# Altium PCB QAM16_PCB.PcbDoc (part 3 of 3)
Units mm, origin at the board's own origin, x right, y up, seen from the top; angles counter-clockwise.
Board outline 146.25 x 74.25 mm, 4 copper layers (Top Layer, MidLayer1, MidLayer2, Bottom Layer), stack 1.554 mm thick; 210 components, 131 nets, 714 pads, 562 vias.
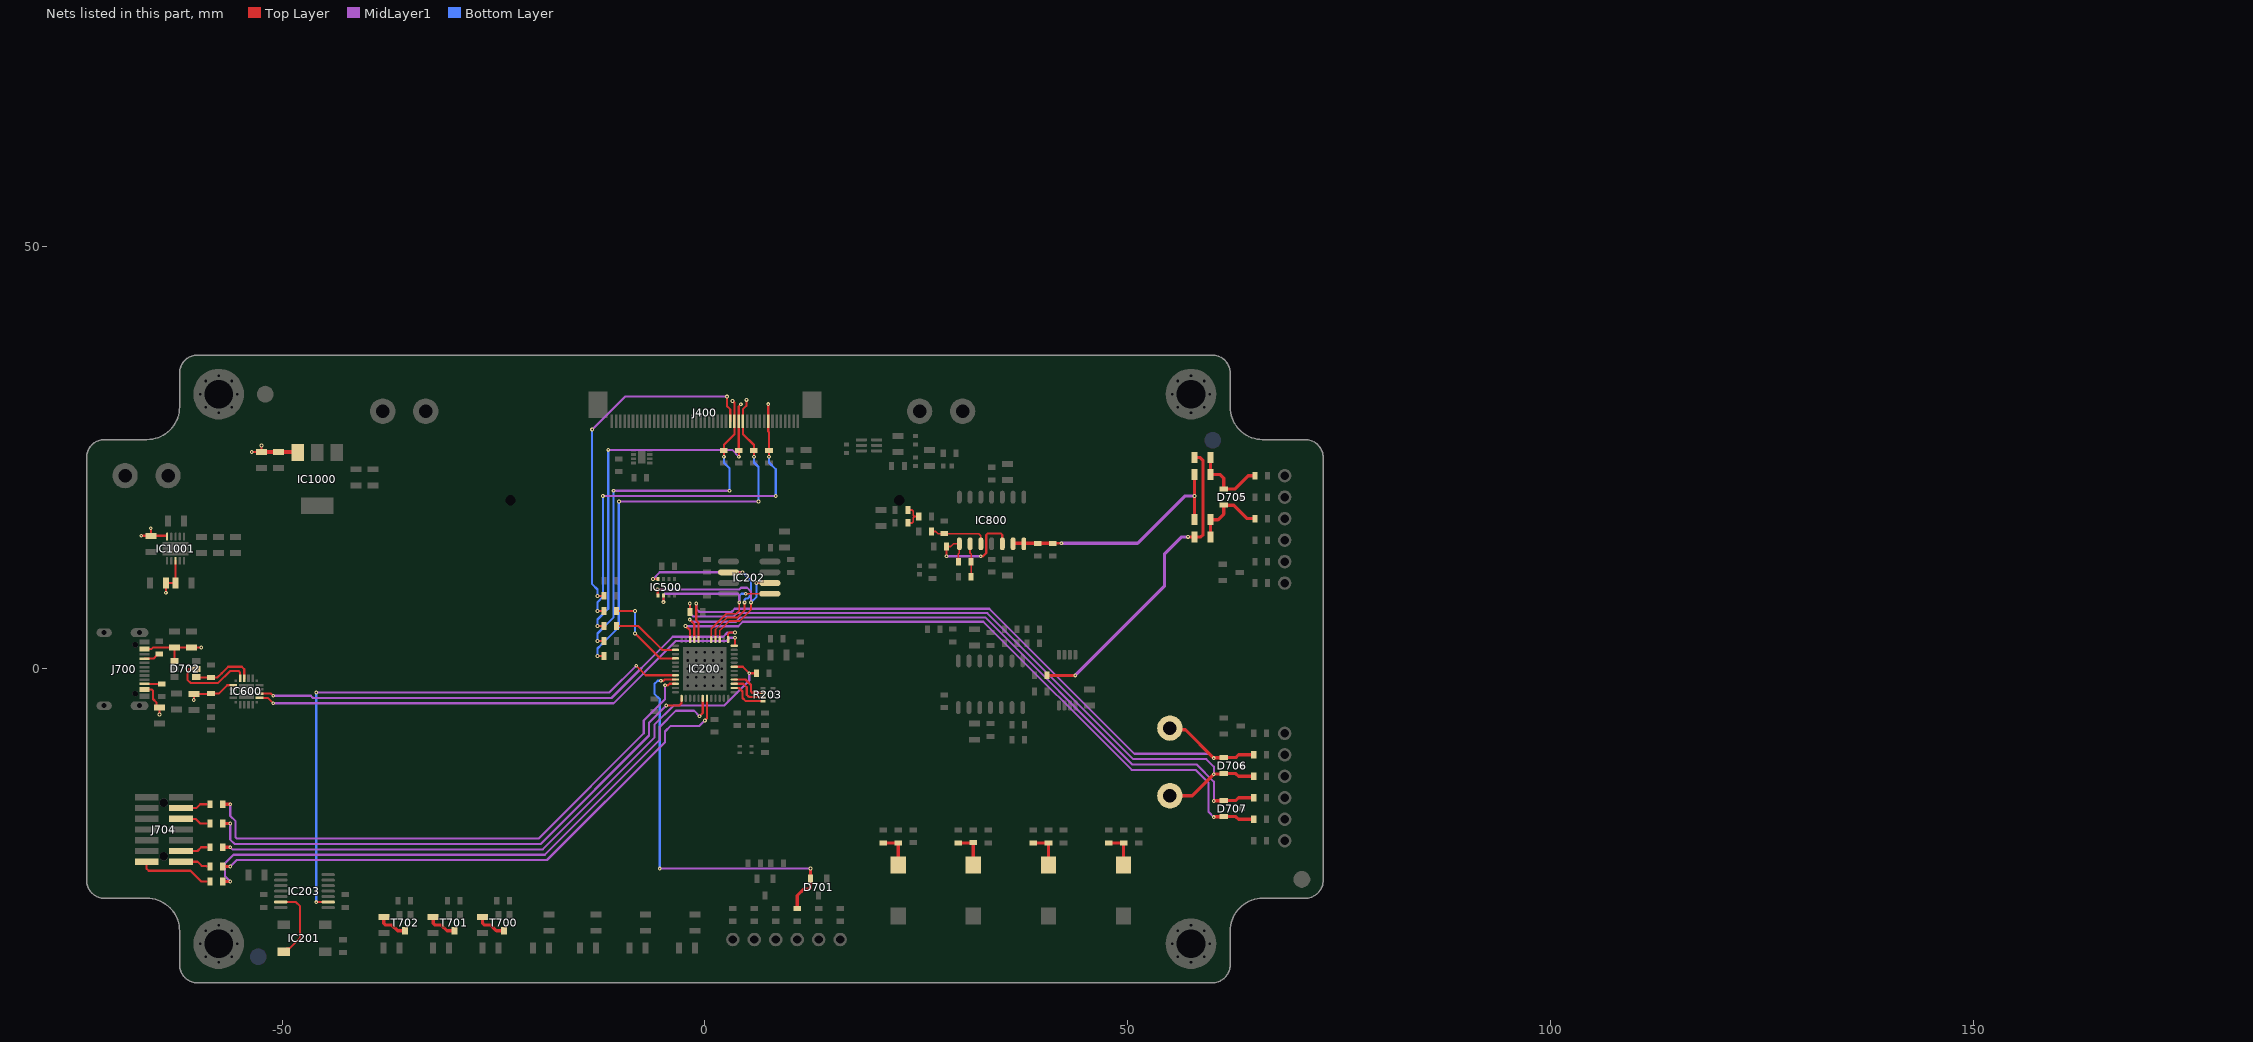
[diagram p5: the nets of this part, all layers, seen from the top]

## Via types
v1: diameter 0.45, hole 0.2, Top Layer to Bottom Layer, tented both sides, 558 vias
v2: diameter 0.762, hole 0.381, Top Layer to Bottom Layer, tented both sides, 3 vias
v3: diameter 0.813, hole 0.356, Top Layer to Bottom Layer, tented both sides, 1 vias

## Nets (pads, with @x,y where several pads share a name; then routed paths per layer and width w, separated by ;. In a path a pad name is that pad's centre, name@x,y a point inside that pad or via, vN(x,y) a via of type N, cw(c..) or ccw(c..) an arc to the next point about the centre after c; other vN are vias at no path point) (continued)
NetJ400_8: J400.8 R402.1 R404.1 | length 46.3
  Top Layer w0.254: v1(-12.7,6.858) R404.1@-11.938,6.858 ; v1(7.492,31.324) 7.499,31.317 7.499,28.082 7.579,28.002 R402.1@7.579,25.856 v1(7.579,25.106)
  MidLayer1 w0.254: v1(-12.7,6.858) v1@-12.684,6.842 ; v1(-12.065,20.447) v1(8.382,20.447)
  Bottom Layer w0.254: v1(-12.7,6.858) -12.7,7.886 -12.065,8.521 v1(-12.065,20.447) ; v1(7.579,25.106) 7.579,24.425 8.382,23.622 v1(8.382,20.447)
NetJ400_14: J400.14 R400.1 R407.1 | length 49.6
  Top Layer w0.254: v1(-12.7,1.524) R400.1@-11.938,1.524 ; v1(4.912,31.825) 4.912,31.115 4.499,30.702 J400.14@4.499,29.285 4.499,27.793 5.801,26.491 v1(5.801,25.106)
  MidLayer1 w0.254: v1(-10.16,19.812) v1(6.35,19.812) ; v1@4.902,31.835 v1(4.912,31.825)
  Bottom Layer w0.254: v1(-12.7,1.524) -12.7,2.413 -12.192,2.921 -10.182,4.931 -10.182,19.79 v1(-10.16,19.812) ; v1(5.801,25.106) 5.801,24.425 6.35,23.876 v1(6.35,19.812)
NetJ400_15: J400.15 R403.1 R408.1 | length 45.8
  Top Layer w0.254: v1(-12.7,5.08) R403.1@-11.938,5.08 ; 3.999,27.745 3.999,31.048 v1(4.256,31.305) ; J400.15@3.999,29.285 3.999,25.88 R408.1@4.023,25.856 v1(4.023,25.106)
  MidLayer1 w0.254: v1(-11.43,25.908) 3.221,25.908 v1(4.023,25.106)
  Bottom Layer w0.254: v1(-12.7,5.08) -12.7,5.842 -11.43,7.112 v1(-11.43,25.908)
NetJ400_16: J400.16 R401.1 R409.1 | length 44.6
  Top Layer w0.254: v1(-12.7,3.302) R401.1@-11.938,3.302 ; v1(2.245,25.106) R409.1@2.245,25.856 2.245,26.491 3.499,27.745 3.499,31.46 v1(3.261,31.698)
  MidLayer1 w0.254: v1(-10.795,21.082) v1(2.921,21.082)
  Bottom Layer w0.254: v1(-12.7,3.302) -12.7,4.191 -10.795,6.096 v1(-10.795,21.082) ; v1(2.245,25.106) 2.245,24.425 2.921,23.749 v1(2.921,21.082)
NetJ400_17: J400.17 R405.1 | length 41.4
  Top Layer w0.254: v1(-12.7,8.636) R405.1@-11.938,8.636 ; v1(2.626,32.206) 2.622,32.202 2.622,31.079 2.999,30.702 J400.17@2.999,29.285
  MidLayer1 w0.254: v1(-13.335,28.321) -9.45,32.206 v1(2.626,32.206)
  Bottom Layer w0.254: v1(-13.335,28.321) -13.335,10.033 -12.7,9.398 v1(-12.7,8.636)
NetJ700_A5: J700.A5 R701.1 | length 2
  Top Layer w0.254: J700.A5@-66.294,1.222 -65.221,1.222 R701.1@-64.839,1.604 ; R701.1@-64.839,1.605 -64.666,1.778 R701.1@-64.516,1.778
NetJ700_B5: J700.B5 R702.1 | length 2
  Top Layer w0.254: J700.B5@-66.294,-1.778 R702.1@-64.262,-1.778
NetJ704_4: J704.4 R710.2 | length 3.2
  Top Layer w0.254: J704.4@-61.965,-16.46 -60.148,-16.46 -59.69,-16.002 -58.928,-16.002
NetJ704_6: J704.6 R711.2 | length 3.3
  Top Layer w0.254: J704.6@-61.965,-17.73 -60.248,-17.73 -59.69,-18.288 -58.928,-18.288
NetJ704_12: J704.12 R709.2 | length 3.2
  Top Layer w0.254: J704.12@-61.965,-21.54 -60.021,-21.54 -59.563,-21.082 -58.928,-21.082
NetJ704_13: J704.13 R713.2 | length 8.6
  Top Layer w0.254: J704.13@-66.035,-22.81 -66.035,-23.627 -65.786,-23.876 -60.833,-23.876 -59.563,-25.146 -58.928,-25.146
NetJ704_14: J704.14 R715.2 | length 3.3
  Top Layer w0.254: J704.14@-61.965,-22.81 -59.994,-22.81 -59.51,-23.294 -59.002,-23.294 -58.928,-23.368
NetKEY300_2: KEY300.2 R300.2 R304.1 | length 4.4
  Top Layer w0.381: R300.2@21.082,-20.574 R304.1@22.86,-20.574 KEY300.2@22.86,-23.21
NetKEY301_2: KEY301.2 R301.2 R305.1 | length 4.4
  Top Layer w0.381: R301.2@29.972,-20.598 31.75,-20.598 KEY301.2@31.75,-23.234
NetKEY302_2: KEY302.2 R302.2 R306.1 | length 4.4
  Top Layer w0.381: R302.2@38.862,-20.598 40.64,-20.598 KEY302.2@40.64,-23.234
NetKEY303_2: KEY303.2 R303.2 R307.1 | length 4.4
  Top Layer w0.381: R303.2@47.752,-20.598 49.53,-20.598 KEY303.2@49.53,-23.234
NetR712_2: R712.2 T700.3 | length 3.6
  Top Layer w0.381: R712.2@-26.289,-29.342 -26.289,-30.069 -26.066,-30.292 -25.334,-30.292 -24.658,-30.968 T700.3@-23.776,-30.968
NetR714_2: R714.2 T701.3 | length 3.6
  Top Layer w0.381: R714.2@-32.131,-29.342 -32.131,-30.069 -31.908,-30.292 -31.176,-30.292 -30.5,-30.968 T701.3@-29.618,-30.968
NetR716_2: R716.2 T702.3 | length 3.6
  Top Layer w0.381: R716.2@-37.973,-29.342 -37.973,-30.069 -37.75,-30.292 -37.018,-30.292 -36.342,-30.968 T702.3@-35.46,-30.968
NetR800_2: R800.2 R801.1 R804.1 | length 3.3
  Top Layer w0.203: R804.1@24.003,17.272 24.519,17.272 24.638,17.391 24.638,17.895 24.777,18.034 ; R800.2@24.003,18.796 24.511,18.796 24.638,18.669 24.638,18.173 24.777,18.034 ; R801.1@25.297,18.034 24.777,18.034
NP_CH1: IC200.32 IC203.2 | length 70.5
  Top Layer w0.254: v1(-45.962,-27.579) IC203.2@-44.57,-27.579 ; v1(-8.128,0.381) -6.997,-0.75 IC200.32@-3.475,-0.75
  MidLayer1 w0.254: v1(-45.974,-2.794) -11.303,-2.794 v1(-8.128,0.381)
  Bottom Layer w0.254: v1@-45.974,-27.567 -45.968,-27.561 -45.968,-2.8 v1(-45.974,-2.794)
NP_CH1_B: IC201.4 IC203.13 | length 8.9
  Top Layer w0.254: IC203.13@-50.165,-27.574 -48.372,-27.574 -47.879,-28.067 -47.879,-31.809 -49.174,-33.104 -49.448,-33.104 IC201.4@-49.821,-33.477
NRST: C210.1 IC200.7 R709.1 | length 75.2
  Top Layer w0.254: IC200.7@3.475,0.25 4.484,0.25 v1(5.242,-0.508) ; v1@5.334,-0.508 C210.1@6.096,-0.508
  Top Layer w0.381: R709.1@-57.026,-21.085 v1(-56.142,-21.085)
  MidLayer1 w0.254: v1(-56.142,-21.085) -55.89,-21.336 -19.177,-21.336 -5.969,-8.128 -5.969,-6.604 -3.683,-4.318 2.286,-4.318 5.242,-1.362 v1(5.242,-0.508)
  MidLayer1 w0.381: v1(-56.142,-21.085) v1@-56.131,-21.085
OP1_+: C802.2 IC800.3 R802.2 | length 7
  Top Layer w0.203: R802.2@26.797,16.256 27.317,16.256 27.571,16.002 C802.2@28.321,16.002 32.385,16.002 32.639,15.748 IC800.3@32.639,14.8
OP1_-: IC800.2 R803.2 R805.2 | length 3.9
  Top Layer w0.203: IC800.2@31.369,14.8 31.369,13.716 31.496,13.589 R803.2@31.496,12.7 R805.2@31.496,10.922
OP1_OUT: C800.2 IC800.1 IC800.5 R803.1 | length 15
  Top Layer w0.203: C800.2@28.575,14.478 29.083,14.478 29.405,14.8 IC800.1@30.099,14.8 30.099,13.716 29.972,13.589 29.972,12.724 R803.1@29.996,12.7
  Top Layer w0.254: v1(28.575,13.335) C800.2@28.575,14.478 ; v1(32.639,13.335) 32.893,13.335 33.274,13.716 33.274,15.853 33.423,16.002 35.03,16.002 35.179,15.853 IC800.5@35.179,14.8
  MidLayer1 w0.254: v1(28.575,13.335) v1(32.639,13.335)
PC13: IC200.2 R203.1 | length 4.5
  Top Layer w0.254: IC200.2@3.475,-2.25 3.48,-2.255 4.033,-2.255 4.445,-2.667 4.445,-3.429 4.826,-3.81 R203.1@6.858,-3.81
PC14: IC200.3 R203.3 | length 4.5
  Top Layer w0.254: IC200.3@3.475,-1.75 3.48,-1.755 4.549,-1.755 4.953,-2.159 4.953,-3.048 5.166,-3.261 ; 5.215,-3.31 R203.3@6.858,-3.31
PC15: IC200.4 R203.5 | length 4.5
  Top Layer w0.254: IC200.4@3.475,-1.25 4.806,-1.25 5.461,-1.905 5.461,-2.407 5.461,-2.661 5.61,-2.81 R203.5@6.858,-2.81
SG_IN: D705.1 FE717.1 R707.1 R708.1 | length 9.4
  Top Layer w0.381: R707.1@59.817,25.019 R708.1@59.817,22.987 60.96,22.987 61.373,22.574 D705.1@61.373,21.27 62.672,21.27 64.262,22.86 FE717.1@65.048,22.86
SG_OUT: D705.2 FE715.1 R705.1 R706.1 | length 9.2
  Top Layer w0.381: R706.1@59.817,15.621 R705.1@59.817,17.653 60.706,17.653 61.373,18.32 D705.2@61.373,19.37 62.545,19.37 64.135,17.78 FE715.1@65.048,17.78
SIG_IN: R706.2 R707.2 R904.1 | length 37.5
  Top Layer w0.381: R904.1@40.489,-0.762 v1(43.815,-0.762) ; v1(57.152,15.621) R706.2@57.917,15.621 58.674,15.621 58.928,15.875 58.928,24.638 58.547,25.019 R707.2@57.917,25.019
  MidLayer1 w0.381: v1(43.815,-0.762) 54.356,9.779 54.356,13.589 56.388,15.621 v1(57.152,15.621)
SIG_OUT: IC800.6 IC800.7 R705.2 R708.2 R806.2 R807.2 | length 29.2
  Top Layer w0.254: R807.2@41.148,14.859 v1(42.164,14.859)
  Top Layer w0.381: IC800.6@36.449,14.8 36.508,14.859 37.66,14.859 IC800.7@37.719,14.8 37.778,14.859 R806.2@39.37,14.859 R807.2@41.148,14.859 ; R705.2@57.917,17.653 57.917,20.437 57.912,20.442 v1(57.912,20.447) 57.912,22.982 R708.2@57.917,22.987
  MidLayer1 w0.381: v1(42.164,14.859) 51.181,14.859 56.769,20.447 v1(57.912,20.447)
SPI1_MISO: IC200.16 IC202.2 IC500.5 | length 24.1
  Top Layer w0.203: IC200.16@1.25,3.475 1.25,4.673 2.673,6.096 3.871,6.096 4.699,6.924 v1(4.699,7.874) ; IC202.2@2.794,11.43 v1(4.445,11.43)
  Top Layer w0.254: v1(-6.137,10.627) -5.613,10.627 IC500.5@-5.605,10.635
  MidLayer1 w0.254: v1(-6.137,10.627) -5.334,11.43 v1(4.445,11.43)
  Bottom Layer w0.254: v1(4.445,11.43) 5.461,10.414 5.461,8.74 5.056,8.335 4.823,8.335 4.699,8.211 v1(4.699,7.874)
SPI1_MOSI: IC200.17 IC202.5 IC500.3 | length 22.5
  Top Layer w0.203: IC200.17@0.75,3.475 0.75,4.747 2.531,6.528 3.692,6.528 4.064,6.9 v1(4.064,7.874) ; v1(4.826,8.89) IC202.5@7.694,8.89
  Top Layer w0.254: v1@-4.897,7.912 IC500.3@-4.897,8.677
  Top Layer w0.381: v1(-4.909,7.9) v1@-4.905,7.904
  MidLayer1 w0.254: v1(-4.909,7.9) -4.909,8.741 -4.76,8.89 3.915,8.89 4.064,8.741 v1(4.064,7.874)
  Bottom Layer w0.254: v1(4.064,7.874) 4.064,8.636 4.318,8.89 v1(4.826,8.89)
SPI1_SCK: IC200.15 IC202.6 IC500.4 | length 24.1
  Top Layer w0.203: IC200.15@1.75,3.475 1.75,4.544 2.87,5.664 4.14,5.664 5.461,6.985 v1(5.461,7.874) ; v1(6.092,10.16) IC202.6@7.694,10.16
  Top Layer w0.254: v1(-5.588,9.398) -5.567,9.377 -5.567,8.8 IC500.4@-5.524,8.8
  MidLayer1 w0.254: v1(-5.588,9.398) 4.064,9.398 4.271,9.605 5,9.605 5.461,9.144 v1(5.461,7.874)
  Bottom Layer w0.203: v1@5.413,7.874 v1(5.461,7.874)
  Bottom Layer w0.254: v1@5.464,7.871 6.117,8.524 6.117,10.135 v1(6.092,10.16)
SPI2_MOSI: IC200.28 R404.2 | length 10.8
  Top Layer w0.254: R404.2@-10.438,6.858 v1(-8.255,6.858) ; v1(-8.255,4.191) -5.314,1.25 IC200.28@-3.475,1.25
  Bottom Layer w0.254: v1(-8.255,4.191) v1(-8.255,6.858)
SPI2_SCK: IC200.26 R403.2 | length 8.1
  Top Layer w0.254: R403.2@-10.438,5.08 -10.388,5.08 -7.874,5.08 -5.044,2.25 IC200.26@-3.475,2.25
SWCLK: IC200.37 R711.1 | length 64.7
  Top Layer w0.254: v1(-4.572,-4.318) -3.048,-4.318 -2.75,-4.02 IC200.37@-2.75,-3.475
  Top Layer w0.381: R711.1@-57.026,-18.291 v1(-56.142,-18.291)
  MidLayer1 w0.254: v1(-56.142,-18.291) -56.142,-20.185 -55.626,-20.701 -19.431,-20.701 -6.604,-7.874 -6.604,-6.35 v1(-4.572,-4.318)
SWDIO: IC200.34 R710.1 | length 66.6
  Top Layer w0.254: v1(-4.699,-1.927) -4.352,-1.927 -4.175,-1.75 IC200.34@-3.475,-1.75
  Top Layer w0.381: R710.1@-57.026,-16.005 v1(-56.142,-16.005)
  MidLayer1 w0.254: v1(-56.142,-16.005) -56.142,-17.391 -55.499,-18.034 -55.499,-19.917 -55.35,-20.066 -19.685,-20.066 -7.239,-7.62 -7.239,-6.096 -4.699,-3.556 v1(-4.699,-1.927)
TP1: D706.2 FE708.1 R206.2 TP700.1 | length 83.8
  Top Layer w0.254: R206.2@-1.777,6.858 v1(-1.778,7.747)
  Top Layer w0.381: TP700.1@55,-15 57.644,-15 v1(60.198,-12.446) 60.231,-12.413 D706.2@61.34,-12.413 ; D706.2@61.373,-12.38 62.799,-12.38 63.119,-12.7 FE708.1@64.921,-12.7
  MidLayer1 w0.254: v1(-1.778,7.747) -1.778,6.604 -1.397,6.223 3.429,6.223 3.81,6.604 33.401,6.604 50.673,-10.668 59.309,-10.668 60.198,-11.557 v1(60.198,-12.446)
TP2: D706.1 FE707.1 IC200.20 TP703.1 | length 85.4
  Top Layer w0.254: v1(-1.016,7.747) -1.016,5.715 -0.75,5.449 IC200.20@-0.75,3.475
  Top Layer w0.381: TP703.1@55,-7 55.196,-7.196 56.848,-7.196 v1(60.198,-10.546) 60.231,-10.513 D706.1@61.34,-10.513 ; D706.1@61.373,-10.48 62.799,-10.48 63.119,-10.16 FE707.1@64.921,-10.16
  MidLayer1 w0.254: v1(-1.016,7.747) -1.016,7.112 -0.635,6.731 3.14,6.731 3.521,7.112 33.655,7.112 50.8,-10.033 58.801,-10.033 59.685,-10.033 v1(60.198,-10.546)
TP4: D701.2 FE702.1 IC200.33 | length 48.4
  Top Layer w0.254: v1(-5.207,-1.397) -5.205,-1.395 -4.895,-1.395 -4.75,-1.25 IC200.33@-3.475,-1.25
  Top Layer w0.381: FE702.1@10.922,-28.345 10.922,-26.797 11.684,-26.035 12.28,-26.035 12.504,-25.812 12.504,-23.609 v1(12.495,-23.6)
  MidLayer1 w0.254: v1(-5.334,-23.622) -5.312,-23.6 v1(12.495,-23.6)
  Bottom Layer w0.254: v1(-5.334,-23.622) -5.334,-3.556 -5.969,-2.921 -5.969,-1.778 -5.588,-1.397 v1(-5.207,-1.397)
USART1_RX: IC200.43 R715.1 | length 67.8
  Top Layer w0.254: v1(0,-6.096) 0.25,-5.846 IC200.43@0.25,-3.475
  Top Layer w0.381: R715.1@-57.026,-23.117 -57.026,-23.211 -56.868,-23.368 v1(-56.134,-23.368)
  MidLayer1 w0.254: v1(-56.134,-23.368) -55.372,-22.606 -18.669,-22.606 -4.721,-8.658 -4.721,-7.403 -4.049,-6.731 -0.635,-6.731 v1(0,-6.096)
USART1_TX: IC200.42 R713.1 | length 70.3
  Top Layer w0.254: v1(-0.635,-5.588) -0.25,-5.203 IC200.42@-0.25,-3.475
  Top Layer w0.381: R713.1@-57.026,-25.149 v1(-56.142,-25.149)
  MidLayer1 w0.254: v1(-56.142,-25.149) -56.769,-24.521 -56.769,-22.987 -55.753,-21.971 -18.923,-21.971 -5.334,-8.382 -5.334,-6.858 -3.429,-4.953 -1.27,-4.953 v1(-0.635,-5.588)
USART2_RX: IC200.13 IC600.18 | length 61.2
  Top Layer w0.254: IC600.18@-52.679,-2.917 -51.312,-2.917 v1(-51.054,-3.175) ; IC200.13@2.75,3.475 2.75,4.147 2.921,4.318 v1(3.556,4.318)
  MidLayer1 w0.254: v1(-51.054,-3.175) -46.609,-3.175 -46.355,-3.429 -11.049,-3.429 -3.81,3.81 2.159,3.81 2.667,4.318 v1(3.556,4.318)
USART2_TX: IC200.12 IC600.17 | length 60.7
  Top Layer w0.254: IC600.17@-52.679,-3.417 -51.701,-3.417 v1(-51.054,-4.064) ; IC200.12@3.475,2.75 3.544,2.75 3.556,2.762 v1(3.556,3.683)
  MidLayer1 w0.254: v1(-51.054,-4.064) -10.795,-4.064 -3.429,3.302 2.552,3.302 2.933,3.683 v1(3.556,3.683)
USART3_RX: D707.2 FE712.1 IC200.22 | length 81
  Top Layer w0.254: v1(-2.286,5.08) -2.286,5.076 -1.75,4.54 IC200.22@-1.75,3.475
  Top Layer w0.381: v1(60.198,-17.526) 60.231,-17.493 D707.2@61.34,-17.493 ; D707.2@61.373,-17.46 62.799,-17.46 63.119,-17.78 FE712.1@64.921,-17.78
  MidLayer1 w0.254: v1(-2.286,5.08) -2.258,5.052 -2.155,5.052 -2.145,5.042 3.941,5.042 4.486,5.588 32.945,5.588 50.471,-11.938 58.039,-11.938 59.563,-13.462 59.563,-16.891 v1(60.198,-17.526)
USART3_TX: D707.1 FE710.1 IC200.21 | length 80.1
  Top Layer w0.254: v1(-1.79,5.83) -1.766,5.83 -1.473,5.537 -1.473,5.526 -1.25,5.302 IC200.21@-1.25,3.475
  Top Layer w0.381: v1(60.198,-15.626) 60.231,-15.593 D707.1@61.34,-15.593 ; D707.1@61.373,-15.56 62.799,-15.56 63.119,-15.24 FE710.1@64.921,-15.24
  MidLayer1 w0.254: v1(-1.79,5.83) -1.766,5.83 -1.524,5.588 3.683,5.588 4.191,6.096 33.147,6.096 50.546,-11.303 58.166,-11.303 60.198,-13.335 v1(60.198,-15.626)
USB_D_N: D702.5 IC600.5 | length 9.7
  Top Layer w0.254: D702.5@-60.191,-0.043 -60.991,-0.043 -61.214,-0.267 -61.214,-1.27 -60.838,-1.646 -57.57,-1.646 -56.178,-0.254 -55.138,-0.254 -54.989,-0.403 IC600.5@-54.989,-0.891
  Top Layer w0.381: D702.5@-60.191,-0.043 D702.5@-60.148,0
USB_D_P: D702.4 IC600.4 R700.2 | length 7.5
  Top Layer w0.254: D702.4@-60.082,-1.016 -58.295,-1.016 -57.658,-1.016 -57.15,-0.508 -56.388,0.254 -54.76,0.254 -54.481,-0.024 -54.481,-1.115 IC600.4@-54.479,-1.117
  Top Layer w0.381: D702.4@-60.148,-0.95 D702.4@-60.082,-1.016 ; R700.2@-58.295,-1.075 R700.2@-58.219,-0.999
VBUS: C600.1 C700.1 C701.1 C702.1 C1000.1 C1001.1 C1004.1 C1013.1 D702.1 IC600.7 IC1000.3 IC1001.5 IC1001.8 J700.A4 J700.B4 R600.1 R1002.1 | length 33.7
  Top Layer w0.254: v1(-66.675,15.748) C1004.1@-65.532,15.748 ; J700.B4@-66.294,-2.428 -65.427,-2.428 -65.278,-2.577 -65.278,-3.556 -64.844,-3.99 -64.844,-4.349 -64.621,-4.572 C701.1@-64.516,-4.572 v1(-64.516,-5.383) ; J700.A4@-66.294,2.372 -65.434,2.372 -65.266,2.54 C700.1@-62.738,2.54 ; v1(-65.532,16.637) C1004.1@-65.532,15.748 ; v1(-63.754,9.017) R1002.1@-63.754,10.16 C1013.1@-62.611,10.16 IC1001.8@-62.611,12.789 ; IC1001.5@-63.611,15.659 -63.611,15.745 -63.614,15.748 C1004.1@-65.532,15.748 ; D702.1@-62.738,0.95 C700.1@-62.738,2.54 ; v1(-60.452,-3.683) -60.447,-3.678 C600.1@-60.447,-2.944 -58.443,-2.944 R600.1@-58.42,-2.921 -57.497,-2.921 -56.512,-1.937 -55.799,-1.937 IC600.7@-55.779,-1.917 ; v1(-59.563,2.54) C700.1@-62.738,2.54 ; v1(-53.594,25.654) C1000.1@-52.451,25.654 v1(-52.451,26.421) ; IC1000.3@-48.197,25.654 IC1000.3@-48.147,25.604
  Top Layer w0.508: C1000.1@-52.451,25.654 C1001.1@-50.419,25.654 IC1000.3@-48.197,25.654
pads on no net: D703.1 D704.1 Designator1.MH IC200.5 IC200.6 IC200.27 IC201.2 IC203.3 IC203.4 IC203.5 IC203.6 IC203.9 IC203.10 IC203.11 IC203.12 IC600.1 IC600.2 IC600.9 IC600.10 IC600.11 IC600.13 IC600.14 IC600.15 IC600.16 IC800.8 IC800.9 IC800.10 IC800.12 IC800.13 IC800.14 IC900.12 IC900.13 IC900.14 IC901.1 IC901.2 IC901.3 IC901.5 IC901.7 J400.41 J400.42 J400.43 J400.44 J400.S1 J400.S2 J700.A8 J700.B8 J700.None J704. J704.1 J704.2 J704.8 J704.9 J704.10 R203.7 R203.8

## Polygon pours and split planes (outlines as drawn)
+3V3 on MidLayer1 "MidLayer-+3V3" (solid, remove dead copper, pour order 5): -73,37 -73,-37 73,-37 73,37
+5V_AVCC on MidLayer1 "MidLayer1-+5V_AVCC" (solid, remove dead copper, pour order 4): 26,9 38,9 38,14 35,14 35,12 26,12
-3V3_AVCC on MidLayer1 "MidLayer1--3V3_AVCC" (solid, remove dead copper, pour order 3): 30,26 30,25 33,25 33,22 38,22 38,26
VBUS on MidLayer1 "Top Layer-No Net" (solid, remove dead copper, pour order 1): -73,-7 -56,-7 -56,1 -56,18 -46,18 -46,37 -73,37
GND on MidLayer2 "Mid-Layer-2" (solid, remove dead copper, pour order 0): -73,37 -73,-37 73,-37 73,37
GND on Top Layer "TopLayer-GND" (solid, remove dead copper, pour order 6): -73,37 -73,-37 73,-37 73,37
GND on Bottom Layer "BottomLayer-GND" (solid, remove dead copper, pour order 7): -73,37 -73,-37 73,-37 73,37

## Keep-outs
Keep-Out Layer:
  lines w0.254: -61.997,35.003 -62,35 ; 60,-37 ccw(c60,-35) 62,-35 ; 60,37 cw(c60,35) 62,35 ; 60.003,37 -60,37 ccw(c-60,35) -62,35 ; 60.005,-37 -60,-37 cw(c-60,-35) -62,-35 -62,-31 ccw(c-66,-31) -66,-27 -71,-27 cw(c-71,-25) -73,-25 -73,25 ; 61.997,30.998 ccw(c65.997,30.998) 65.997,26.998 ; 62,-35.005 62,-31 cw(c66,-31) 66,-27 71,-27 ccw(c71,-25) 73,-25 73,25 ccw(c71,25) 71,27 66,27 ; 62,31 62,35.003 ; -73,25 cw(c-71,25) -71,27 -66,27 ccw(c-66,31) -62,31 -62,35 ; -73,25 -73,25

## Other copper
Top Layer:
  pour cut-out: 68.58,22.86 68.581,22.861 69.641,22.861 69.641,10.16 69.638,10.157 67.524,10.157 67.524,22.856 67.526,22.859
  pour cut-out: 68.58,-7.62 68.581,-7.619 69.641,-7.619 69.641,-20.32 69.638,-20.323 67.524,-20.323 67.524,-7.624 67.526,-7.621
  pour cut-out: 3.302,-32.004 3.301,-32.003 3.301,-30.943 16.002,-30.943 16.005,-30.946 16.005,-33.06 3.306,-33.06 3.303,-33.058
  pour cut-out: 6.875,26.41 6.875,23.802 8.283,23.802 8.283,26.41
  pour cut-out: 2.243,23.141 2.269,23.168 5.945,23.168 5.947,23.171 5.95,23.168 5.95,23.622 2.243,23.622
  pour cut-out: -0.45,13.508 -0.45,8.106 0.958,8.106 0.958,13.508
  pour cut-out: 6.731,-25.019 6.731,-25.927 6.615,-26.043 7.609,-26.043 7.609,-25.551 7.493,-25.435 7.493,-25.019
  pour cut-out: -23.785,-32.116 -23.776,-32.107 -23.776,-31.669 -24.377,-31.669 -24.384,-31.676 -24.384,-32.131
  pour cut-out: -29.654,-32.096 -29.654,-31.705 -29.621,-31.672 -30.222,-31.672 -30.222,-32.127 -30.226,-32.131
  pour cut-out: -35.496,-32.096 -35.46,-32.06 -35.46,-31.669 -36.061,-31.669 -36.068,-31.676 -36.068,-32.131
  pour cut-out: 21.949,16.568 24.557,16.568 24.557,19.5 21.949,19.5
  pour cut-out: 26.521,13.774 29.129,13.774 29.129,15.182 26.521,15.182
  pour cut-out: 30.55,10.218 32.05,10.218 32.05,11.996 30.55,11.996
  pour cut-out: 32.638,12.87 31.806,12.87 31.8,12.864 31.8,13.425 32.632,13.425
  pour cut-out: 36.478,14.83 36.449,14.859 36.449,15.825 35.208,15.825 35.179,15.853 35.179,14.8
  pour cut-out: 39.046,3.995 39.046,3.752 40.154,3.752 40.154,3.995
  pour cut-out: 32.512,0.948 32.512,-0.077 33.782,-0.077 33.782,0.948
  pour cut-out: 35.052,0.948 35.052,-0.077 36.322,-0.077 36.322,0.948
  pour cut-out: 31.242,-0.077 32.512,-0.077 32.512,0.948 31.242,0.948
  pour cut-out: 33.782,-5.622 32.537,-5.622 32.512,-5.597 32.512,-4.572 35.052,-4.572 35.052,-5.597
  pour cut-out: 35.052,-5.597 35.077,-5.622 36.322,-5.622 36.322,-4.572 35.052,-4.572
  pour cut-out: 35.768,-9.086 38.376,-9.086 38.376,-5.9 35.768,-5.9
  pour cut-out: 62.127,20.817 62.127,19.823 62.545,19.823 62.619,19.897 62.619,20.817
  pour cut-out: 6.498,23.836 1.541,23.836 1.541,26.41 6.498,26.41
  pour cut-out: 11.958,-24.043 14.966,-24.043 14.966,-27.793 14.986,-27.813 11.938,-27.813
  pour cut-out: 2.598,-27.791 16.706,-27.791 16.706,-30.399 2.598,-30.399
  pour cut-out: 3.441,-33.058 16.141,-33.058 16.141,-32.143 16.002,-32.004 3.302,-32.004
  pour cut-out: -67.684,-14.566 -67.684,-23.434 -67.623,-23.495 -60.325,-23.495 -60.325,-14.575 -60.316,-14.566
  pour cut-out: -56.474,-15.298 -56.474,-25.85 -59.082,-25.85 -59.082,-15.298
  pour cut-out: -12.468,10.991 -12.492,10.967 -12.492,0.82 -9.884,0.82 -9.86,0.844 -9.86,10.991
MidLayer1:
  pour cut-out: 68.577,10.157 68.576,10.156 67.516,10.156 67.516,22.858 67.519,22.86 69.633,22.86 69.633,10.161 69.631,10.158
  pour cut-out: 68.58,-20.32 68.579,-20.321 67.519,-20.321 67.519,-7.62 67.522,-7.617 69.636,-7.617 69.636,-20.316 69.634,-20.319
  pour cut-out: 3.302,-32.004 3.301,-32.003 3.301,-30.943 16.002,-30.943 16.005,-30.946 16.005,-33.06 3.306,-33.06 3.303,-33.058
MidLayer2:
  pour cut-out: 68.58,10.16 68.579,10.159 67.519,10.159 67.519,22.86 67.522,22.863 69.636,22.863 69.636,10.164 69.634,10.161
  pour cut-out: 68.579,-20.321 68.577,-20.323 67.518,-20.323 67.518,-7.621 67.52,-7.619 69.635,-7.619 69.635,-20.318 69.632,-20.32
  pour cut-out: 3.302,-32.004 3.301,-32.003 3.301,-30.943 16.002,-30.943 16.005,-30.946 16.005,-33.06 3.306,-33.06 3.303,-33.058
Bottom Layer:
  pour cut-out: 68.579,10.159 68.577,10.157 67.518,10.157 67.518,22.859 67.52,22.861 69.635,22.861 69.635,10.162 69.632,10.16
  pour cut-out: 68.58,-20.32 68.579,-20.321 67.519,-20.321 67.519,-7.62 67.522,-7.617 69.636,-7.617 69.636,-20.316 69.634,-20.319
  pour cut-out: 3.302,-32.004 3.301,-32.003 3.301,-30.943 16.002,-30.943 16.005,-30.946 16.005,-33.06 3.306,-33.06 3.303,-33.058

## Silkscreen, mask and mechanical layers (free items; w line width, h text height)
Top Overlay:
  drawing of 79 lines, arcs and shapes, not listed
  text "VARIANT:" at 112,69 h1.52
  text ".VariantName" at 125,69 h1.52
  text "DESCRIPTION:" at 112,64 h1.52
  text ".VariantDescription" at 130,64 h1.52
  text "Display" at -14.915,34.502 h1.75
  text "-3.3V_AVCC" at 27.759,33.561 h1.75
  text "GND" at -39.569,33.483 h1.75
  text "+3.3V" at -34.881,33.483 h1.75
  text "GND" at 23.431,33.483 h1.75
  text "+3.3VDC" at -49.322,26.943 h1.75
  text "1" at 69.215,24.638 h1.02 r90
  text "-3.3VDC" at 15.212,23.483 h1.75
  text "GND" at -70.569,19.483 h1.75
  text "+5VDC" at -65.335,19.483 h1.75
  text "DAC" at 38.545,15.437 h1.75
  text "Flash" at 1.691,13.38 h1.75
  text "BME280" at -8.667,12.923 h1.75
  text "QAM16 Transmitter / Receiver" at -49.784,11.819 h1.75
  text "Juventus Technikerschule 2022 - PEK" at -49.784,10.245 h1.75
  text "Funk Modul" at 71.479,8.828 h1.75 r90
  text "USB" at -71.691,5.328 h1.75
  text "MCU" at -7.766,2.534 h1.75
  text "ADC" at 41.272,2.534 h1.75
  text "1" at 69.342,-5.842 h1.02 r90
  text "TP2" at 49.93,-7.529 h1.75
  text "SHT40" at 0.35,-12.096 h1.75
  text "ST-Link V3" at -67.724,-14.291 h1.75
  text "TP1" at 50.038,-15.517 h1.75
  text "USART Interface" at 71.492,-21.607 h1.75 r90
  text "UP" at 39.415,-32.327 h2.25
  text "Down" at 46.897,-32.323 h2.25
  text "OK" at 21.363,-32.369 h2.25
  text "STOP" at 29.098,-32.369 h2.25
  text "1" at 17.78,-32.766 h1.02
  text "I2C Interface" at 1.982,-34.916 h1.75
  text "LED1" at -38.645,-35.493 h1.75
  text "LED2" at -32.778,-35.493 h1.75
  text "LED3" at -26.914,-35.493 h1.75
  text "+3.3V" at -9.553,-35.49 h1.75
  text "+5V" at -3.695,-35.49 h1.75
  text "RXD" at -20.967,-35.515 h1.75
  text "TXD" at -15.379,-35.515 h1.75
  text "Status" at -51.086,-36.15 h1.75
Bottom Overlay:
  lines w0.1: 110,67 178,67 ; 110,62 110,72 178,72 178,62 110,62
  text ".VariantName" at 163,69 h1.52
  text "VARIANT:" at 176,69 h1.52
  text ".VariantDescription" at 158,64 h1.52
  text "DESCRIPTION:" at 176,64 h1.52
Mechanical 4:
  lines w0.013: -61.5,-32.5 -53.5,-32.5 ; -61.5,32.5 -53.5,32.5 ; -57.5,-36.5 -57.5,-28.5 ; -57.5,28.5 -57.5,36.5 ; -4,-32.5 4,-32.5 ; -4,32.5 4,32.5 ; 0,-36.5 0,-28.5 ; 0,28.5 0,36.5 ; 53.5,-32.5 61.5,-32.5 ; 53.5,32.5 61.5,32.5 ; 57.5,-36.5 57.5,-28.5 ; 57.5,28.5 57.5,36.5
Top Overlay MK5:
  drawing of 74 lines, arcs and shapes, not listed
  text "Display" at -14.915,34.502 h1.75
  text "-3.3V_AVCC" at 27.759,33.561 h1.75
  text "GND" at -39.569,33.483 h1.75
  text "+3.3V" at -34.881,33.483 h1.75
  text "GND" at 23.431,33.483 h1.75
  text "+3.3VDC" at -49.322,26.943 h1.75
  text "1" at 69.215,24.638 h1.02 r90
  text "-3.3VDC" at 15.212,23.483 h1.75
  text "GND" at -70.569,19.483 h1.75
  text "+5VDC" at -65.335,19.483 h1.75
  text "DAC" at 38.545,15.437 h1.75
  text "Flash" at 1.691,13.38 h1.75
  text "BME280" at -8.667,12.923 h1.75
  text "QAM16 Transmitter / Receiver" at -49.784,11.819 h1.75
  text "Juventus Technikerschule 2022 - PEK" at -49.784,10.245 h1.75
  text "Funk Modul" at 71.479,8.828 h1.75 r90
  text "USB" at -71.691,5.328 h1.75
  text "MCU" at -7.766,2.534 h1.75
  text "ADC" at 41.272,2.534 h1.75
  text "1" at 69.342,-5.842 h1.02 r90
  text "TP2" at 49.93,-7.529 h1.75
  text "SHT40" at 0.35,-12.096 h1.75
  text "ST-Link V3" at -67.724,-14.291 h1.75
  text "TP1" at 50.038,-15.517 h1.75
  text "USART Interface" at 71.492,-21.607 h1.75 r90
  text "UP" at 39.415,-32.327 h2.25
  text "Down" at 46.897,-32.323 h2.25
  text "OK" at 21.363,-32.369 h2.25
  text "STOP" at 29.098,-32.369 h2.25
  text "1" at 17.78,-32.766 h1.02
  text "I2C Interface" at 1.982,-34.916 h1.75
  text "LED1" at -38.645,-35.493 h1.75
  text "LED2" at -32.778,-35.493 h1.75
  text "LED3" at -26.914,-35.493 h1.75
  text "+3.3V" at -9.553,-35.49 h1.75
  text "+5V" at -3.695,-35.49 h1.75
  text "RXD" at -20.967,-35.515 h1.75
  text "TXD" at -15.379,-35.515 h1.75
  text "Status" at -51.086,-36.15 h1.75
Mechanical 7:
  lines w0.127: -25.975,-22.53 -25.975,-23.03 ; -25.975,-20.804 -25.975,-23.03 ; -25.975,20.718 -25.975,22.92 ; -25.975,22.45 -25.975,22.92 ; -25.505,-23.03 -25.975,-23.03 ; -25.475,22.92 -25.975,22.92 ; -23.773,-23.03 -25.975,-23.03 ; -23.749,22.92 -25.975,22.92 ; 23.749,-23.03 25.975,-23.03 25.975,-20.828 ; 23.773,22.92 25.975,22.92 ; 25.505,22.92 25.975,22.92 ; 25.975,20.694 25.975,22.92 ; 25.975,22.42 25.975,22.92
  lines w0.254: 39.827,25.044 53.594,25.044 53.594,27.407 39.827,27.407 39.827,25.044 ; 63.17,-4.547 69.799,-4.547 69.799,-2.184 63.17,-2.184 63.17,-4.547
  text "S/N:" at 53.688,27.43 h1.52
  text "Check:" at 69.903,-2.161 h1.52
  text "PEK REV.A 25.11.22" at 52.121,-34.95 h1.75
Mechanical 8:
  region: -85.338,-32.5 -85.755,-30 -84.921,-30
  region: -55,-54.114 -57.5,-53.697 -55,-53.281
  region: 62,44 59.5,43.583 59.5,44.417
  region: -59.5,43.583 -62,44 -59.5,44.417
  region: -70.5,50.639 -73,51.056 -70.5,51.473
  region: -84.921,30 -85.755,30 -85.338,32.5
  region: 83.309,24.5 82.476,24.5 82.892,27
  region: 64.932,29.868 62.576,28.932 64.501,30.581
  region: 91.224,34.5 90.391,34.5 90.807,37
  region: 73,51.056 70.5,50.639 70.5,51.473
  region: 90.807,-37 90.391,-34.5 91.224,-34.5
  region: 61.5,-47.519 59,-47.102 61.5,-46.686
  region: 82.892,-27 82.476,-24.5 83.309,-24.5
  region: 56,-47.102 53.5,-47.519 53.5,-46.686
  region: 57.5,-53.697 55,-54.114 55,-53.281
  lines w0.013: -86.338,-32.5 -57.5,-32.5 -57.5,-54.697 ; -86.338,32.5 -57.5,32.5 ; -85.338,-30 -85.338,30 ; -73,27 -73,52.056 ; -70.5,51.056 70.5,51.056 ; -62,37 -62,45 ; -59.5,44 59.5,44 ; -55,-53.697 55,-53.697 ; 51,-47.102 53.5,-47.102 ; 56,-48.102 56,-32.5 ; 56,-47.102 59,-47.102 ; 57.5,-54.697 57.5,-32.5 ; 59,-48.102 59,-32.5 ; 61.5,-47.102 66.327,-47.102 ; 62,-37 91.807,-37 ; 62,45 62,37 91.807,37 ; 64.716,30.224 93.564,47.653 ; 73,-27 83.892,-27 ; 73,52.056 73,27 83.892,27 ; 82.892,-24.5 82.892,24.5 ; 90.807,-34.5 90.807,34.5
  text "146" at -3.465,51.256 h3.5
  text "124" at -3.465,44.2 h3.5
  text "R4 max." at 78.131,38.563 h3.5 r31.14
  text "65" at -85.538,-0.702 h3.5 r90
  text "54" at 82.692,-1.4 h3.5 r90
  text "74" at 90.607,-1.674 h3.5 r90
  text "3" at 66.527,-49.735 h3.5
  text "115" at -2.887,-53.497 h3.5
Mechanical 13:
  circle w0.006: c66,31 r0.003
  circle w0.006: c62.576,28.932 r0.003
  circle w0.006: c154.052,-49.057 r0.003
  circle w0.006: c167.097,-49.057 r0.003
  circle w0.006: c168.29,-44.557 r0.003
  circle w0.006: c-67.516,66.059 r0.003
  circle w0.006: c-47.616,66.059 r0.003
  circle w0.006: c-47.331,70.559 r0.003
  circle w0.006: c90.807,-37 r0.003
  circle w0.006: c62,-37 r0.003
  circle w0.006: c62,37 r0.003
  circle w0.006: c82.892,-27 r0.003
  circle w0.006: c73,-27 r0.003
  circle w0.006: c73,27 r0.003
  circle w0.006: c73,51.056 r0.003
  circle w0.006: c73,27 r0.003
  circle w0.006: c-73,27 r0.003
  circle w0.006: c62,44 r0.003
  circle w0.006: c62,37 r0.003
  circle w0.006: c-62,37 r0.003
  circle w0.006: c57.5,-53.697 r0.003
  circle w0.006: c57.5,-32.5 r0.003
  circle w0.006: c-57.5,-32.5 r0.003
  circle w0.006: c-85.338,-32.5 r0.003
  circle w0.006: c-57.5,-32.5 r0.003
  circle w0.006: c-57.5,32.5 r0.003
  circle w0.006: c56,-47.102 r0.003
  circle w0.006: c56,-32.5 r0.003
  circle w0.006: c59,-32.5 r0.003
Mechanical 15:
  lines w0.013: -75,0 77.821,0 ; 0,-40.892 0,39.893
Mechanical 16:
  lines w0.127: -108.08,-66.82 -103,-66.82 ; -108.08,-18.56 -103,-18.56 ; -108.08,29.7 -103,29.7 ; -35.055,-115.08 -35.055,-110 ; -35.055,72.88 -35.055,77.96 ; 29.08,-110 64.64,-110 ; 37.97,-115.08 37.97,-110 ; 37.97,72.88 37.97,77.96 ; 64.64,-98.697 178.94,-98.697 ; 64.64,-88.664 178.94,-88.664 ; 64.64,-83.838 178.94,-83.838 ; 110.995,-115.08 110.995,-110 ; 110.995,72.88 110.995,77.96 ; 115.948,-110 115.948,-98.697 ; 123.695,-120.16 128.013,-120.16 ; 149.476,-83.838 149.476,-79.52 ; 164.462,-88.664 164.462,-83.838 ; 178.94,-66.82 184.02,-66.82 ; 178.94,-18.56 184.02,-18.56 ; 178.94,29.7 184.02,29.7 ; 64.64,-110 178.94,-110 ; 64.64,-110 64.64,-79.52 102.74,-79.52 178.94,-79.52 178.94,-110 ; 178.94,-110 -103,-110 -103,72.88 178.94,72.88 178.94,-110 ; -108.08,-115.08 184.02,-115.08 184.02,77.96 -108.08,77.96 -108.08,-115.08
  text "1" at -71.834,74.531 h1.78
  text "2" at 0.81,74.531 h1.78
  text "3" at 73.962,74.531 h1.78
  text "4" at 146.86,74.531 h1.78
  text "A" at -106.175,51.519 h1.78
  text "A" at 180.845,51.519 h1.78
  text "B" at -106.175,3.462 h1.78
  text "B" at 180.845,3.462 h1.78
  text "C" at -106.175,-45.052 h1.78
  text "C" at 180.845,-45.052 h1.78
  text "ByteOverflow" at 69.212,-82.441 h1.52
  text "mootseeker98@gmail.com" at 148.206,-83.076 h1.02
  text "Revision" at 165.097,-86.759 h1.02
  text ".Revision_V" at 173.418,-86.774 h1.02
  text "Sheet" at 68.958,-87.14 h1.52
  text ".Printout_Name" at 78.483,-87.14 h1.52
  text "elektronisch signiert" at 166.494,-88.029 h0.51
  text "D" at -106.175,-93.058 h1.78
  text "D" at 180.845,-93.058 h1.78
  text ".Project_Name" at 69.085,-94.887 h2.54
  text "Print" at 116.964,-102.888 h1.52
  text ".PCB_Nummer" at 138.808,-102.888 h1.52
  text "Designer" at 65.656,-103.396 h1.52
  text ".PCB_Designer" at 87.5,-103.523 h1.52
  text "CAD" at 116.964,-107.46 h1.52
  text ".Altium_Version" at 138.808,-107.46 h1.52
  text "Datum" at 65.656,-107.587 h1.52
  text ".Print_Date" at 87.5,-107.587 h1.52
  text "1" at -71.834,-113.429 h1.78
  text "2" at 0.81,-113.429 h1.78
  text "3" at 73.962,-113.429 h1.78
  text "4" at 146.86,-113.429 h1.78
Drill Drawing:
  text "DRILLTAB:" at -102,-108 h1.52
  text ".Legend" at -87,-108 h1.52
PCB Manufacturing Information:
  lines w0.1: 110,12 178,12 ; 110,17 178,17 ; 110,22 178,22 ; 110,27 178,27 ; 110,32 178,32 ; 110,37 178,37 ; 110,42 178,42 ; 110,47 178,47 ; 110,52 178,52 ; 110,57 178,57 ; 110,62 178,62 ; 110,67 178,67 ; 144,7 144,67 ; 110,7 178,7 178,72 110,72 110,7
  text "PCB Manufacturing Information" at 112,69 h1.52
  text "PCB Data" at 112,64 h1.52
  text ".PCB_Data" at 146,64 h1.52
  text "PCB Thickness" at 112,59 h1.52
  text ".PCB_Thickness" at 146,59 h1.52
  text "PCB Material" at 112,54 h1.52
  text ".PCB_Material" at 146,54 h1.52
  text "PCB Layer Count" at 112,49 h1.52
  text ".PCB_Layer_Count" at 146,49 h1.52
  text "PCB Copper Thickness" at 112,44 h1.52
  text ".PCB_Copper_Thickness" at 146,44 h1.52
  text "PCB Solder Surface" at 112,39 h1.52
  text ".PCB_Solder_Surface" at 146,39 h1.52
  text "PCB Surface" at 112,34 h1.52
  text ".PCB_Surface" at 146,34 h1.52
  text "PCB Silkscreen" at 112,29 h1.52
  text ".PCB_Silkscreen" at 146,29 h1.52
  text "Stencil thickness" at 112,24 h1.52
  text ".Stencil_Thickness" at 146,24 h1.52
  text "Via Count" at 112,19 h1.52
  text ".Via_Count" at 146,19 h1.52
  text "Pad Count" at 112,14 h1.52
  text ".Pad_Count" at 146,14 h1.52
  text "PCB Controll" at 112,9 h1.52
  text ".PCB_Controll" at 146,9 h1.52

## Text inside footprints (layer, text, board x,y; h text height)
Designator1: Bottom Overlay "FFC Connector" at -10,14.65 h1.52 r180
J700: Mechanical 13 "PCB EDGE" at -73.049,-5.528 h1.88 r270